# Allegro board BeagleV-FIRE_REV-A_230911.brd (continued)
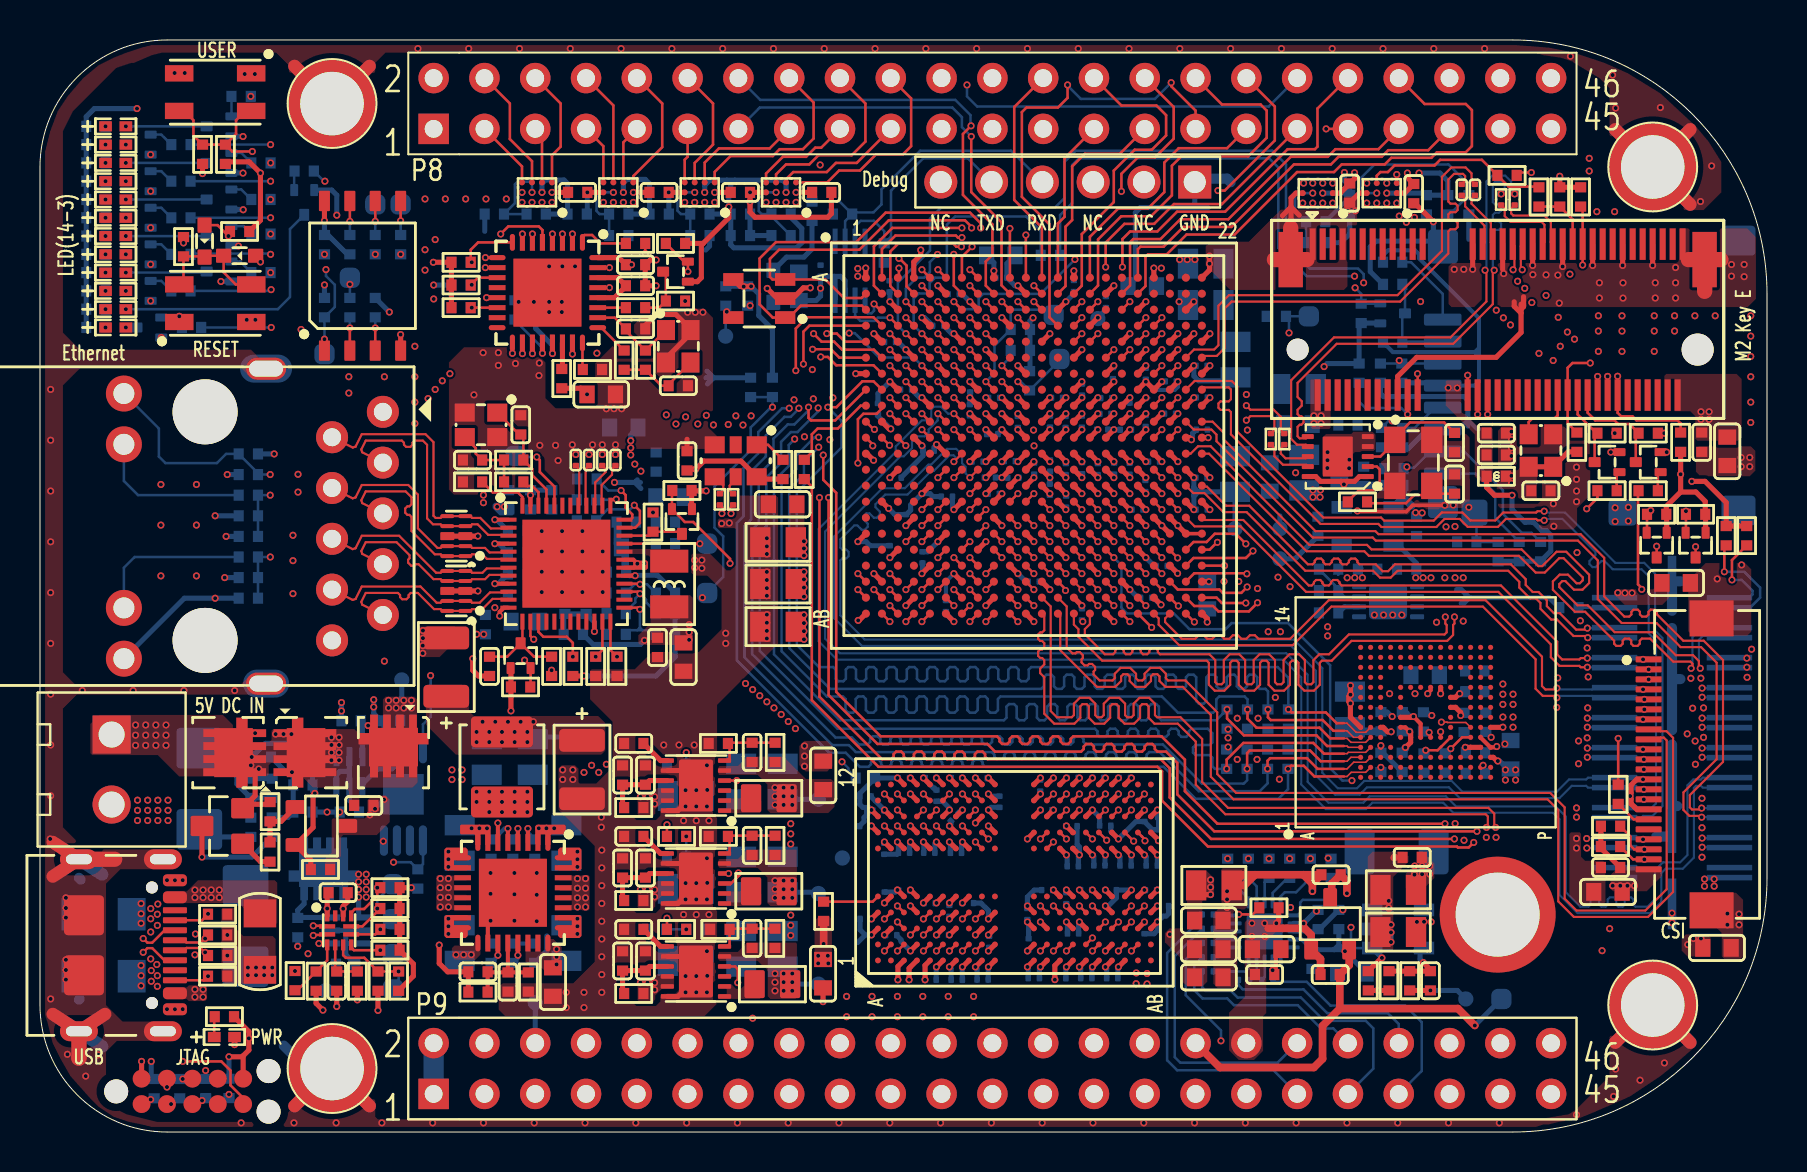
[diagram p0: board, top side]
## Routing (per net, layer and track width the routed paths; a pad name or vN(x,y) marks a point on that pad's centre or on a via; arc(x,y) is an arc through that point) (continued)
CAM_D0_P: length 50.7
  TOP w0.107: U1.AA12 50.54,26.28 50.54,21.05 50.85,20.74 51.59,20.74 51.7,20.85 51.7,21.42 52,21.71 52.47,21.71 52.77,21.42 52.77,20.85 52.87,20.74 53.09,20.74 53.19,20.85 53.19,21.42 53.49,21.71 53.97,21.71 54.26,21.42 54.26,20.85 54.37,20.74 54.58,20.74 54.69,20.85 54.69,21.42 54.98,21.71 55.46,21.71 55.76,21.42 55.76,20.85 55.86,20.74 57.03,20.74 58.12,19.66 58.12,17.5 59.41,16.21 72.43,16.21 72.72,15.92 72.72,15.3 v1(72.79,15.23)
  L3_SIG1 w0.086: v1(72.79,15.23) 72.79,15.54 72.72,15.61 72.72,16.47 73,16.75 73.27,16.75 73.36,16.67 73.36,16.48 73.44,16.4 73.62,16.4 73.7,16.48 73.7,16.67 73.79,16.75 77.23,16.75 78.33,17.86 78.33,21.34 79.72,22.73 80.35,22.73 v1(80.44,22.64)
CAM_D1_N: length 47.4
  TOP w0.107: v1(52.1,27.92) U1.W14 ; J7.5 v1(80.23,21.63)
  L5_SIG2 w0.086: v1(80.23,21.63) J7.5 80.53,21.54 81.43,21.54 81.92,21.05 81.92,15.54 81.43,15.05 79.73,15.05 79.43,14.75 77.97,14.75 77.67,15.05 76.5,15.05 75.66,15.89 58.89,15.89 57.64,17.14 57.64,17.52 51.44,23.72 51.44,26.61 51.65,26.83 51.65,27.48 v1(52.1,27.92)
CAM_D1_P: length 47.5
  TOP w0.107: J7.6 v1(80.23,21.14) ; v1(52.1,27.12) U1.Y14
  L5_SIG2 w0.086: v1(52.1,27.12) 52.1,26.83 51.75,26.48 51.75,23.85 51.94,23.66 52.06,23.66 52.24,23.84 52.36,23.84 52.48,23.72 52.48,23.6 52.31,23.42 52.31,23.3 52.43,23.18 52.55,23.18 52.73,23.35 52.85,23.35 52.97,23.23 52.97,23.11 52.79,22.93 52.79,22.81 52.92,22.69 53.04,22.69 53.22,22.86 53.34,22.86 53.46,22.74 53.46,22.62 53.28,22.44 53.28,22.32 53.41,22.2 53.53,22.2 53.7,22.37 53.83,22.37 53.95,22.25 53.95,22.13 53.77,21.95 53.77,21.83 57.95,17.65 57.95,17.28 59.02,16.21 75.79,16.21 76.63,15.36 77.8,15.36 78.11,15.06 79.3,15.06 79.6,15.36 81.3,15.36 81.6,15.67 81.6,20.92 81.3,21.23 80.53,21.23 J7.6 v1(80.23,21.14)
CAM_D2_N: length 48.1
  TOP w0.107: J7.11 v1(80.2,18.63) ; v1(52.9,26.32) U1.AA15
  L5_SIG2 w0.086: v1(80.2,18.63) 79.86,18.63 79.77,18.54 79.07,18.54 77.5,16.97 59.38,16.97 58.72,17.63 58.72,18.85 58.17,19.4 58.17,19.52 58.94,20.28 58.94,20.67 58.63,20.97 58.25,20.97 57.48,20.21 57.36,20.21 57.24,20.33 57.24,20.46 58,21.22 58,21.6 57.69,21.91 57.31,21.91 56.55,21.15 56.43,21.15 56.3,21.27 56.3,21.39 57.07,22.15 57.07,22.54 56.76,22.84 56.38,22.84 55.61,22.08 55.49,22.08 55.37,22.2 55.37,22.33 56.13,23.09 56.13,23.47 55.82,23.78 55.44,23.78 54.68,23.02 54.56,23.02 54.43,23.14 54.43,23.26 55.21,24.04 55.21,24.42 54.9,24.73 54.52,24.73 53.74,23.95 53.62,23.95 52.87,24.7 52.87,25.09 52.95,25.17 53.27,25.17 53.34,25.24 53.34,25.36 53.28,25.43 52.96,25.43 52.87,25.51 52.87,25.64 52.93,25.7 53.23,25.7 53.31,25.79 53.31,25.96 53.21,26.06 52.95,26.06 52.87,26.15 52.87,26.29 v1(52.9,26.32)
CAM_D2_P: length 48.2
  TOP w0.107: J7.12 v1(80.2,18.14) ; v1(52.9,27.12) U1.Y15
  L5_SIG2 w0.086: v1(52.9,27.12) 52.55,26.78 52.55,24.57 53.49,23.64 53.87,23.64 54.65,24.41 54.77,24.41 54.89,24.29 54.89,24.17 54.12,23.39 54.12,23.01 54.43,22.7 54.81,22.7 55.57,23.46 55.69,23.46 55.82,23.34 55.82,23.22 55.05,22.46 55.05,22.07 55.36,21.77 55.74,21.77 56.51,22.53 56.63,22.53 56.75,22.41 56.75,22.28 55.99,21.52 55.99,21.14 56.3,20.83 56.68,20.83 57.44,21.59 57.56,21.59 57.69,21.47 57.69,21.35 56.92,20.59 56.92,20.2 57.23,19.9 57.61,19.9 58.38,20.66 58.5,20.66 58.62,20.54 58.62,20.41 57.86,19.65 57.86,19.27 58.4,18.72 58.4,17.5 59.25,16.65 77.63,16.65 79.2,18.23 79.77,18.23 79.86,18.14 v1(80.2,18.14)
CAM_D3_N: length 50.9
  TOP w0.107: U1.AB15 52.5,25.4 52.25,25.15 52.25,24.89 53.25,23.89 53.66,23.89 53.77,24 53.77,24.09 53.87,24.19 54.09,24.19 54.19,24.09 54.19,24 54.3,23.89 54.51,23.89 54.62,24 54.62,24.09 54.73,24.19 54.94,24.19 55.05,24.09 55.05,24 55.15,23.89 55.37,23.89 55.47,24 55.47,24.09 55.58,24.19 55.79,24.19 55.9,24.09 55.9,24 56.01,23.89 58.48,23.89 58.77,23.6 58.77,22.5 58.88,22.39 59.09,22.39 59.2,22.5 59.2,23.6 59.49,23.89 59.97,23.89 60.26,23.6 60.26,22.5 60.37,22.39 60.58,22.39 60.69,22.5 60.69,23.6 60.98,23.89 61.46,23.89 61.76,23.6 61.76,22.5 61.86,22.39 62.08,22.39 62.18,22.5 62.18,23.6 62.48,23.89 62.96,23.89 63.25,23.6 63.25,22.5 63.36,22.39 63.57,22.39 63.68,22.5 63.68,23.6 63.97,23.89 64.46,23.89 65.45,24.88 70.24,24.88 70.34,24.99 70.34,25.36 70.27,25.43 v1(70.27,25.76) ; J7.14 v1(80.2,17.14)
  L5_SIG2 w0.086: v1(70.27,25.76) 70.27,25.53 70.35,25.46 70.35,25.19 70.66,24.88 75.64,24.88 76.38,24.14 76.38,22.53 76.96,21.96 79.02,21.96 79.36,21.62 79.36,21.17 79.28,21.09 79.09,21.09 79,21 79,20.83 79.09,20.74 79.28,20.74 79.36,20.65 79.36,20.02 79.68,19.7 80.49,19.7 80.66,19.53 80.66,17.13 80.57,17.04 80.29,17.04 v1(80.2,17.14)
CAM_D3_P: length 50.9
  TOP w0.107: J7.15 v1(80.2,16.63) ; U1.AB14 51.7,25.37 51.93,25.15 51.93,24.76 53.12,23.57 58.34,23.57 58.45,23.46 58.45,22.36 58.74,22.07 59.22,22.07 59.52,22.36 59.52,23.46 59.62,23.57 59.84,23.57 59.94,23.46 59.94,22.36 60.24,22.07 60.72,22.07 61.01,22.36 61.01,23.46 61.12,23.57 61.33,23.57 61.44,23.46 61.44,22.36 61.73,22.07 62.21,22.07 62.5,22.36 62.5,23.46 62.61,23.57 62.82,23.57 62.93,23.46 62.93,22.36 63.22,22.07 63.7,22.07 64,22.36 64,23.46 64.1,23.57 64.59,23.57 65.58,24.56 70.37,24.56 70.66,24.86 70.66,25.36 70.73,25.43 v1(70.73,25.76)
  L5_SIG2 w0.086: v1(80.2,16.63) 80.29,16.73 80.7,16.73 80.98,17 80.98,19.66 80.62,20.02 79.81,20.02 79.68,20.15 79.68,21.75 79.15,22.27 77.09,22.27 76.7,22.66 76.7,24.27 75.77,25.2 70.79,25.2 70.66,25.32 70.66,25.45 70.73,25.52 v1(70.73,25.76)
CSI1_PWDN: length 42.4
  TOP w0.127: U35.A3 v1(67.84,47.88) ; R265.2 v1(78.92,19.68)
  L10_SIG3 w0.102: v1(78.92,19.68) 78.92,24.76 81.16,27 81.16,28.03 80.14,29.05 80.14,33.01 77.5,35.66 77.5,37.92 78.36,38.79 78.36,43.21 75.84,45.72 75.84,46.21 74.25,47.81 70.03,47.81 69.46,48.38 68.08,48.38 67.84,48.15 v1(67.84,47.88)
EMMC_CLK: length 4.7
  TOP w0.127: R254.1 38.59,33.99 38.59,34.89 38.89,35.18 39.89,35.18 41.04,36.32 U1.J1
EMMC_CMD: length 62.2
  TOP w0.127: v1(39.43,31.72) 39.43,21.85 41.88,19.41 47.37,19.41 47.75,19.02 52.06,19.02 52.19,19.15 52.19,19.28 52.32,19.41 52.57,19.41 52.7,19.28 52.7,19.15 52.83,19.02 53.08,19.02 53.21,19.15 53.21,19.28 53.33,19.41 53.59,19.41 53.72,19.28 53.72,19.15 53.84,19.02 54.1,19.02 54.22,19.15 54.22,19.28 54.35,19.41 54.6,19.41 54.73,19.28 54.73,19.15 54.86,19.02 55.11,19.02 55.24,19.15 55.24,19.28 55.37,19.41 55.62,19.41 55.75,19.28 55.75,19.15 55.87,19.02 56.31,19.02 56.87,18.46 56.87,16.89 58.72,15.04 v1(71.86,15.04) ; U1.K5 v1(44.1,35.92) ; v1(70.55,19.17) 71.11,19.74 U3.M5
  L5_SIG2 w0.102: v1(44.1,35.92) 43.72,35.54 41.52,35.54 40.08,34.1 40.08,32.59 39.43,31.95 v1(39.43,31.72)
  L10_SIG3 w0.102: v1(71.86,15.04) 71.86,16.38 70.55,17.69 v1(70.55,19.17)
  BOTTOM w0.127: R13.2 70.27,19.04 70.4,19.17 v1(70.55,19.17)
EMMC_DATA0: length 58.4
  TOP w0.076: U3.A3 65.56,18.74 65.36,18.54 65.2,18.54
  TOP w0.127: v1(38.43,36.25) 38.43,35.71 38.56,35.59 39.76,35.59 U1.H1 ; v1(60.36,18.16) 60.36,18.95 60.49,19.08 63.51,19.08 64.05,18.54 65.2,18.54
  BOTTOM w0.127: v1(60.36,18.16) 60.36,17.59 60.2,17.42 58.1,17.42 56.15,19.38 52.31,19.38 52.18,19.51 52.18,19.66 52.05,19.79 51.8,19.79 51.67,19.66 51.67,19.51 51.54,19.38 51.29,19.38 51.16,19.51 51.16,19.66 51.04,19.79 50.78,19.79 50.66,19.66 50.66,19.51 50.53,19.38 50.27,19.38 50.15,19.51 50.15,19.66 50.02,19.79 49.77,19.79 49.64,19.66 49.64,19.51 49.51,19.38 49.26,19.38 49.13,19.51 49.13,19.66 49,19.79 48.75,19.79 48.62,19.66 48.62,19.51 48.5,19.38 48.24,19.38 48.12,19.51 48.12,19.66 47.99,19.79 47.73,19.79 47.61,19.66 47.61,19.51 47.48,19.38 47.23,19.38 47.1,19.51 47.1,19.66 46.97,19.79 46.72,19.79 46.59,19.66 46.59,19.51 46.46,19.38 46.21,19.38 46.08,19.51 46.08,19.66 45.96,19.79 45.7,19.79 45.58,19.66 45.58,19.51 45.45,19.38 45.19,19.38 45.07,19.51 45.07,19.66 44.94,19.79 44.69,19.79 44.56,19.66 44.56,19.51 44.43,19.38 44.18,19.38 44.05,19.51 44.05,19.66 43.92,19.79 43.67,19.79 43.54,19.66 43.54,19.51 43.42,19.38 43.16,19.38 43.04,19.51 43.04,19.66 42.91,19.79 42.65,19.79 42.53,19.66 42.53,19.51 42.4,19.38 42.15,19.38 42.02,19.51 42.02,19.66 41.89,19.79 41.64,19.79 41.51,19.66 41.51,19.51 41.38,19.38 40.95,19.38 40.61,19.73 39.78,19.73 35.61,23.9 35.61,30.13 35.94,30.46 35.94,32.88 36.68,33.62 36.68,34.67 37.39,35.38 37.72,35.38 38.43,36.09 v1(38.43,36.25)
EMMC_DATA1: length 61.3
  TOP w0.076: 65.2,19.3 65.36,19.3 65.43,19.24 U3.A4
  TOP w0.127: U1.J4 v1(43.3,36.72) ; v1(59.36,21.13) 59.36,20.68 60.2,19.84 63.83,19.84 64.36,19.3 65.2,19.3
  L3_SIG1 w0.102: v1(43.3,36.72) 42.94,37.08 42.09,37.08 41.62,36.61 41.06,36.61 39.79,35.34 37.88,35.34 37.74,35.2 v1(37.74,34.65)
  BOTTOM w0.127: v1(59.36,21.13) 58.82,20.59 56.08,20.59 55.95,20.72 55.95,21.27 55.82,21.4 55.57,21.4 55.44,21.27 55.44,20.72 55.31,20.59 55.06,20.59 54.93,20.72 54.93,21.27 54.81,21.4 54.55,21.4 54.42,21.27 54.42,20.72 54.3,20.59 54.04,20.59 53.92,20.72 53.92,21.27 53.79,21.4 53.54,21.4 53.41,21.27 53.41,20.72 53.28,20.59 53.03,20.59 52.9,20.72 52.9,21.27 52.77,21.4 52.52,21.4 52.39,21.27 52.39,20.72 52.27,20.59 52.01,20.59 51.88,20.72 51.88,21.27 51.76,21.4 51.5,21.4 51.38,21.27 51.38,20.72 51.25,20.59 51,20.59 50.87,20.72 50.87,21.27 50.74,21.4 50.49,21.4 50.36,21.27 50.36,20.72 50.23,20.59 49.98,20.59 49.85,20.72 49.85,21.27 49.73,21.4 49.47,21.4 49.34,21.27 49.34,20.72 49.22,20.59 48.96,20.59 48.84,20.72 48.84,21.27 48.71,21.4 48.46,21.4 48.33,21.27 48.33,20.72 48.2,20.59 40,20.59 36.7,23.88 36.7,32.57 37.44,33.3 37.44,34.36 v1(37.74,34.65)
EMMC_DATA2: length 61.6
  TOP w0.076: 65.2,20.06 65.36,20.06 65.69,19.74 U3.A5
  TOP w0.127: U1.K4 v1(43.3,35.92) ; v1(61.4,21.13) 61.4,20.74 61.54,20.6 64.14,20.6 64.68,20.06 65.2,20.06
  L3_SIG1 w0.102: v1(43.3,35.92) 42.9,36.32 42.34,36.32 41.92,35.9 41.35,35.9 39.7,34.25 v1(38.94,34.25)
  BOTTOM w0.127: v1(61.4,21.13) 61.4,22.03 61.28,22.16 60.99,22.16 60.86,22.29 60.86,22.74 60.74,22.87 60.48,22.87 60.36,22.74 60.36,22.29 60.23,22.16 59.98,22.16 59.85,22.29 59.85,22.74 59.72,22.87 59.47,22.87 59.34,22.74 59.34,22.29 59.21,22.16 58.96,22.16 58.83,22.29 58.83,22.74 58.71,22.87 58.45,22.87 58.32,22.74 58.32,21.55 58.2,21.42 57.94,21.42 57.82,21.55 57.82,22.74 57.69,22.87 57.44,22.87 57.31,22.74 57.31,22.29 57.18,22.16 56.93,22.16 56.8,22.29 56.8,22.74 56.67,22.87 56.42,22.87 56.29,22.74 56.29,22.29 56.17,22.16 55.91,22.16 55.78,22.29 55.78,22.74 55.66,22.87 55.4,22.87 55.28,22.74 55.28,22.29 55.15,22.16 54.9,22.16 54.77,22.29 54.77,22.74 54.64,22.87 54.39,22.87 54.26,22.74 54.26,22.29 54.13,22.16 53.88,22.16 53.75,22.29 53.75,22.74 53.63,22.87 53.37,22.87 53.24,22.74 53.24,22.29 53.12,22.16 52.86,22.16 52.74,22.29 52.74,22.74 52.61,22.87 52.36,22.87 52.23,22.74 52.23,22.29 52.1,22.16 51.85,22.16 51.72,22.29 51.72,22.74 51.59,22.87 51.34,22.87 51.21,22.74 51.21,22.29 51.09,22.16 50.83,22.16 50.7,22.29 50.7,22.74 50.58,22.87 50.32,22.87 50.2,22.74 50.2,22.29 50.07,22.16 39.5,22.16 37.47,24.2 37.47,32.16 38.2,32.89 38.2,33.51 v1(38.94,34.25)
EMMC_DATA3: length 62.4
  TOP w0.076: 65.2,17.78 65.36,17.78 65.57,17.99 66.29,17.99 U3.B2
  TOP w0.127: 65.2,17.78 63.73,17.78 63.2,18.31 62.56,18.31 v1(62.41,18.16) ; U1.J7 v1(45.7,36.72)
  L5_SIG2 w0.102: v1(37.47,36.2) 37.47,36.17 37.49,36.14 37.49,35.81 37.79,35.51 39.7,35.51 40.51,36.32 45.3,36.32 v1(45.7,36.72)
  BOTTOM w0.127: v1(62.41,18.16) 62.41,17.14 61.93,16.66 57.78,16.66 56.18,18.26 47.27,18.26 47.14,18.39 47.14,18.49 47.01,18.62 46.76,18.62 46.63,18.49 46.63,18.39 46.5,18.26 46.25,18.26 46.12,18.39 46.12,18.49 46,18.62 45.74,18.62 45.62,18.49 45.62,18.39 45.49,18.26 45.23,18.26 45.11,18.39 45.11,18.49 44.98,18.62 44.73,18.62 44.6,18.49 44.6,18.39 44.47,18.26 44.22,18.26 44.09,18.39 44.09,18.49 43.96,18.62 43.71,18.62 43.58,18.49 43.58,18.39 43.46,18.26 43.2,18.26 43.08,18.39 43.08,18.49 42.95,18.62 42.69,18.62 42.57,18.49 42.57,18.39 42.44,18.26 42.19,18.26 42.06,18.39 42.06,18.49 41.93,18.62 41.68,18.62 41.55,18.49 41.55,18.39 41.42,18.26 40.99,18.26 40.29,18.96 39.47,18.96 34.85,23.58 34.85,30.46 35.18,30.79 35.18,33.2 35.92,33.94 35.92,35 37.11,36.2 v1(37.47,36.2)
EMMC_DATA4: length 61.4
  TOP w0.076: U3.B3 66.29,18.49 65.69,18.49 65.36,18.16 65.2,18.16
  TOP w0.127: U1.J6 v1(44.9,36.72) ; v1(61.39,18.16) 61.39,18.57 61.51,18.69 63.35,18.69 63.89,18.16 65.2,18.16
  L5_SIG2 w0.102: v1(44.9,36.72) 44.49,37.13 40.82,37.13 39.55,35.86 38.05,35.86 37.95,35.97 v1(37.95,36.2)
  BOTTOM w0.127: v1(37.95,36.2) 37.95,36.17 37.54,35.76 37.23,35.76 36.3,34.83 36.3,33.78 35.56,33.04 35.56,30.63 35.23,30.3 35.23,23.74 39.62,19.35 40.45,19.35 40.8,19 47.59,19 47.72,18.87 47.72,18.77 47.85,18.64 48.1,18.64 48.23,18.77 48.23,18.87 48.36,19 48.61,19 48.74,18.87 48.74,18.77 48.86,18.64 49.12,18.64 49.25,18.77 49.25,18.87 49.37,19 49.63,19 49.75,18.87 49.75,18.77 49.88,18.64 50.13,18.64 50.26,18.77 50.26,18.87 50.39,19 50.64,19 50.77,18.87 50.77,18.77 50.9,18.64 51.15,18.64 51.28,18.77 51.28,18.87 51.4,19 51.66,19 51.79,18.87 51.79,18.77 51.91,18.64 52.17,18.64 52.29,18.77 52.29,18.87 52.42,19 52.67,19 52.8,18.87 52.8,18.77 52.93,18.64 53.18,18.64 53.31,18.77 53.31,18.87 53.44,19 53.69,19 53.82,18.87 53.82,18.77 53.94,18.64 54.2,18.64 54.33,18.77 54.33,18.87 54.45,19 54.71,19 54.83,18.87 54.83,18.77 54.96,18.64 55.21,18.64 55.34,18.77 55.34,18.87 55.47,19 55.99,19 57.94,17.04 60.99,17.04 61.39,17.44 v1(61.39,18.16)
EMMC_DATA5: length 60.7
  TOP w0.076: U3.B4 66.29,18.99 65.43,18.99 65.36,18.92 65.2,18.92
  TOP w0.127: U1.H6 v1(44.9,37.52) ; v1(59.34,18.16) 59.34,18.62 60.17,19.46 63.67,19.46 64.2,18.92 65.2,18.92
  L5_SIG2 w0.102: v1(38.91,36.21) 38.91,36.4 39.03,36.52 39.03,36.92 39.68,37.57 40.94,37.57 41.29,37.92 44.5,37.92 v1(44.9,37.52)
  BOTTOM w0.127: v1(59.34,18.16) 58.75,18.16 58.62,18.29 58.62,18.72 58.5,18.85 57.78,18.85 57.66,18.97 57.66,19.23 57.78,19.35 58.5,19.35 58.62,19.48 58.62,19.94 58.39,20.17 57.58,20.17 57.45,20.04 57.45,19.89 57.32,19.76 57.07,19.76 56.94,19.89 56.94,20.04 56.81,20.17 56.56,20.17 56.43,20.04 56.43,19.89 56.31,19.76 56.05,19.76 55.92,19.89 55.92,20.04 55.8,20.17 55.54,20.17 55.42,20.04 55.42,19.89 55.29,19.76 55.04,19.76 54.91,19.89 54.91,20.04 54.78,20.17 54.53,20.17 54.4,20.04 54.4,19.89 54.27,19.76 54.02,19.76 53.89,19.89 53.89,20.04 53.77,20.17 53.51,20.17 53.38,20.04 53.38,19.89 53.26,19.76 53,19.76 52.88,19.89 52.88,20.04 52.75,20.17 39.88,20.17 35.99,24.06 35.99,29.97 36.32,30.3 36.32,32.73 37.06,33.46 37.06,34.51 37.55,35 37.88,35 38.91,36.04 v1(38.91,36.21)
EMMC_DATA6: length 60.1
  TOP w0.076: 65.2,19.68 65.36,19.68 65.56,19.49 66.29,19.49 U3.B5
  TOP w0.127: v1(60.38,21.13) 60.38,20.67 60.83,20.22 63.99,20.22 64.52,19.68 65.2,19.68 ; U1.J3 v1(42.5,36.72)
  L3_SIG1 w0.102: v1(38.94,34.74) 39.06,34.74 39.31,34.99 39.94,34.99 41.2,36.25 41.76,36.25 42.23,36.72 v1(42.5,36.72)
  BOTTOM w0.127: v1(38.94,34.74) 38.73,34.74 37.82,33.83 37.82,33.15 37.08,32.41 37.08,24.04 39.35,21.78 40.16,21.78 40.28,21.65 40.28,21.1 40.41,20.97 40.66,20.97 40.79,21.1 40.79,21.65 40.92,21.78 41.17,21.78 41.3,21.65 41.3,21.1 41.43,20.97 41.68,20.97 41.81,21.1 41.81,21.65 41.93,21.78 42.19,21.78 42.31,21.65 42.31,21.1 42.44,20.97 42.7,20.97 42.82,21.1 42.82,21.65 42.95,21.78 43.2,21.78 43.33,21.65 43.33,21.1 43.46,20.97 43.71,20.97 43.84,21.1 43.84,21.65 43.97,21.78 44.22,21.78 44.35,21.65 44.35,21.1 44.47,20.97 44.73,20.97 44.85,21.1 44.85,21.65 44.98,21.78 45.24,21.78 45.36,21.65 45.36,21.1 45.49,20.97 45.74,20.97 45.87,21.1 45.87,21.65 46,21.78 46.25,21.78 46.38,21.65 46.38,21.1 46.51,20.97 46.76,20.97 46.89,21.1 46.89,21.65 47.01,21.78 47.27,21.78 47.39,21.65 47.39,21.1 47.52,20.97 47.78,20.97 47.9,21.1 47.9,21.65 48.03,21.78 56.1,21.78 56.9,20.97 58.66,20.97 58.83,21.14 58.83,21.64 58.97,21.78 60.24,21.78 60.38,21.63 v1(60.38,21.13)
EMMC_DATA7: length 59.2
  TOP w0.076: 65.2,20.45 65.36,20.45 65.82,19.99 66.29,19.99 U3.B6
  TOP w0.127: U1.H2 41.68,37.54 41.12,37.54 39.83,36.25 v1(39.4,36.25) ; 65.2,20.45 64.84,20.45 64.3,20.98 62.58,20.98 v1(62.43,21.13)
  BOTTOM w0.127: v1(62.43,21.13) 62.43,22.71 61.89,23.25 49.57,23.25 49.44,23.12 49.44,22.67 49.31,22.54 49.06,22.54 48.93,22.67 48.93,23.12 48.81,23.25 48.55,23.25 48.43,23.12 48.43,22.67 48.3,22.54 48.04,22.54 47.92,22.67 47.92,23.12 47.79,23.25 47.54,23.25 47.41,23.12 47.41,22.67 47.28,22.54 47.03,22.54 46.9,22.67 46.9,23.12 46.77,23.25 46.52,23.25 46.39,23.12 46.39,22.67 46.27,22.54 46.01,22.54 45.89,22.67 45.89,23.12 45.76,23.25 45.5,23.25 45.38,23.12 45.38,22.67 45.25,22.54 45,22.54 44.87,22.67 44.87,23.12 44.74,23.25 44.49,23.25 44.36,23.12 44.36,22.67 44.23,22.54 43.98,22.54 43.85,22.67 43.85,23.12 43.73,23.25 43.47,23.25 43.35,23.12 43.35,22.67 43.22,22.54 42.96,22.54 42.84,22.67 42.84,23.12 42.71,23.25 42.46,23.25 42.33,23.12 42.33,22.67 42.2,22.54 41.95,22.54 41.82,22.67 41.82,23.12 41.69,23.25 41.44,23.25 41.31,23.12 41.31,22.67 41.19,22.54 40.93,22.54 40.81,22.67 40.81,23.12 40.68,23.25 40.42,23.25 40.3,23.12 40.3,22.67 40.17,22.54 39.92,22.54 39.79,22.67 39.79,23.12 39.66,23.25 38.95,23.25 37.85,24.36 37.85,32 40.08,34.23 40.08,35.56 v1(39.4,36.25)
EMMC_DQ: length 61.5
  TOP w0.127: U1.K3 v1(42.5,35.92) ; U3.H5 69.54,19.91 v1(69.46,19.98) ; v1(70.73,14.66) 58.56,14.66 56.49,16.73 56.49,18.19 56.04,18.64 47.39,18.64 47.26,18.77 47.26,18.9 47.13,19.02 46.88,19.02 46.75,18.9 46.75,18.77 46.62,18.64 46.37,18.64 46.24,18.77 46.24,18.9 46.12,19.02 45.86,19.02 45.73,18.9 45.73,18.77 45.61,18.64 45.35,18.64 45.23,18.77 45.23,18.9 45.1,19.02 44.85,19.02 44.72,18.9 44.72,18.77 44.59,18.64 44.34,18.64 44.21,18.77 44.21,18.9 44.08,19.02 43.83,19.02 43.7,18.9 43.7,18.77 43.58,18.64 43.32,18.64 43.19,18.77 43.19,18.9 43.07,19.02 42.81,19.02 42.69,18.9 42.69,18.77 42.56,18.64 42.1,18.64 38.98,21.77 v1(38.98,31.72)
  L5_SIG2 w0.102: v1(38.98,31.72) 38.98,31.99 39.73,32.74 39.73,34.25 41.4,35.92 v1(42.5,35.92)
  L10_SIG3 w0.102: v1(69.46,19.98) 69.46,19.67 69.75,19.38 69.75,17.22 71.12,15.85 71.12,15.05 v1(70.73,14.66)
  BOTTOM w0.127: R14.1 69.42,20.03 v1(69.46,19.98)
EMMC_RSTN: length 61.6
  TOP w0.127: v1(39.17,33.85) 39.17,32.61 39.81,31.97 39.81,22.01 42.04,19.79 47.86,19.79 47.99,19.66 47.99,19.53 48.11,19.41 48.37,19.41 48.49,19.53 48.49,19.66 48.62,19.79 48.87,19.79 49,19.66 49,19.53 49.13,19.41 49.38,19.41 49.51,19.53 49.51,19.66 49.64,19.79 49.89,19.79 50.02,19.66 50.02,19.53 50.14,19.41 50.4,19.41 50.53,19.53 50.53,19.66 50.65,19.79 50.91,19.79 51.03,19.66 51.03,19.53 51.16,19.41 51.41,19.41 51.54,19.53 51.54,19.66 51.67,19.79 56.08,19.79 57.25,18.62 57.25,17.04 58.88,15.42 v1(70.26,15.42) ; U3.K5 70.06,19.26 70.06,19.26 69.89,19.09 v1(69.29,19.09) ; U1.H4 v1(43.3,37.52)
  L3_SIG1 w0.102: v1(43.3,37.52) 43.69,37.14 43.69,35.81 43.42,35.54 41.5,35.54 39.81,33.85 v1(39.17,33.85)
  L10_SIG3 w0.102: v1(69.29,19.09) 69.29,17.17 70.26,16.21 v1(70.26,15.42)
  BOTTOM w0.127: R12.2 69.21,19 v1(69.29,19.09)
EXT_VDD_5V:
  vias: v1(4.78,20.35) v1(4.78,19.85) v1(4.78,19.34) v1(5.29,20.35) v1(5.29,19.85) v1(5.29,19.34) v1(5.79,20.35) v1(5.79,19.85) v1(5.79,19.34) v1(6.3,20.35) v1(6.3,19.85) v1(6.3,19.34)
EXT_VDD_5V_R: length 8.3
  TOP w0.254: R281.1 11.39,16.39 10.55,16.39 10.44,16.5 ; Q31.1 10.76,16.82 10.44,16.5 ; 10.44,16.5 Q30.2
  BOTTOM w0.254: R280.1 12.66,19.27 12.5,19.43 11.27,19.43 v1(10.59,18.75) 10.54,18.71 v1(10.54,18.34) R284.1 C328.1
  vias: v1(10.94,18.16) v1(11.78,19.9) v1(12.18,19.9) v1(12.57,19.9)
FABRIC_I2C0_SCL: length 126
  TOP w0.127: v1(48.5,45.19) U1.A10 ; v1(84.61,27.61) 84.61,28.6 R250.2
  L5_SIG2 w0.102: P9.19 43.66,3.02 76.17,3.02 76.63,3.48 76.63,9.66 78.38,11.4 84.56,11.4 84.87,11.71 84.87,27.07 84.61,27.33 v1(84.61,27.61) 84.61,41.66 81.36,44.91 68.1,44.91 67.31,45.69 61.85,45.69 60.88,46.66 57.27,46.66 57.27,46.66 50.75,46.66 49.31,45.21 48.53,45.21 v1(48.5,45.19)
  BOTTOM w0.127: v1(84.61,27.61) 85.09,27.61 85.64,27.06 85.64,26.88 85.47,26.72 J8.1
FABRIC_I2C0_SDA: length 124.5
  TOP w0.127: R249.2 84.23,29.24 v1(84.23,28.02) ; v1(49.3,44.86) U1.A11
  L5_SIG2 w0.102: v1(49.3,44.86) 49.45,44.86 50.9,46.3 57.42,46.3 60.74,46.3 61.7,45.34 67.16,45.34 67.95,44.55 81.21,44.55 84.23,41.53 v1(84.23,28.02) 84.23,27.2 84.51,26.92 84.51,12.07 84.2,11.76 78.23,11.76 76.28,9.8 76.28,3.66 76,3.38 43.61,3.38 P9.20
  BOTTOM w0.127: J8.3 85.51,26.22 86.02,26.73 86.02,27.22 85.22,28.02 v1(84.23,28.02)
H_M2_CLKREQ0N: length 9.4
  TOP w0.127: U35.C3 66.84,47.82 67.03,48.01 67.4,48.01 67.73,48.34 69.73,48.34 70.01,48.62 72.1,48.62 R263.1 73.44,47.28 74.92,47.28 R262.2
H_M2_PERST0N: length 21.8
  TOP w0.127: R92.2 76.39,35.44 J9.52 76.39,38.21 76.63,38.46 v1(77.52,38.46)
  L10_SIG3 w0.102: v1(67.34,47.45) 74.1,47.45 75.49,46.06 75.49,45.58 76.76,44.3 76.76,43.2 76.86,43.1 76.86,40.66 77.52,40 v1(77.52,38.46)
I2C1_SCL: length 91.6
  TOP w0.127: v1(47.04,45.21) 47.04,45.44 46.51,45.97 42.29,45.97 40.81,44.5 36.8,44.5 35.98,43.69 35.98,41.38 36.64,40.73 U22.1 37.45,40.73 38.05,41.33 41.1,41.33 U1.C1 ; J7.20 v1(80.23,14.14) 79.72,14.14 79.53,14.33 79.53,14.78 R109.2 ; Q20.3 v1(82.79,29.27)
  L5_SIG2 w0.102: v1(82.79,29.27) 82.01,29.27 81.58,29.69 81.58,32.69 80.09,34.19 80.09,43.61 79.5,44.2 67.8,44.2 67.02,44.98 61.55,44.98 60.59,45.95 57.57,45.95 51.05,45.95 49.6,44.5 47.75,44.5 v1(47.04,45.21)
  L10_SIG3 w0.102: v1(82.79,29.27) 81.95,28.44 81.95,26.79 79.65,24.49 79.65,18.93 79.15,18.42 79.15,14.74 79.76,14.14 v1(80.23,14.14)
I2C1_SDA: length 87.6
  TOP w0.127: U1.B1 41.08,41.71 40.2,41.71 39.28,42.63 U22.3 36.63,42.63 36.5,42.76 36.5,43.66 36.96,44.12 40.97,44.12 42.44,45.59 46.25,45.59 46.58,45.26 v1(46.58,45.21) ; R108.2 79.66,13.63 v1(80.23,13.63) J7.21 ; Q19.3 v1(80.84,29.29)
  L5_SIG2 w0.102: v1(80.84,29.29) 81.23,29.68 81.23,32.54 79.73,34.04 79.73,43.46 79.35,43.84 67.66,43.84 66.87,44.63 61.41,44.63 60.44,45.59 51.2,45.59 49.75,44.15 47.57,44.15 46.58,45.14 v1(46.58,45.21)
  L10_SIG3 w0.102: v1(80.23,13.63) 79.74,13.63 78.87,14.5 78.87,18.64 79.3,19.08 79.3,24.64 81.6,26.94 81.6,28.54 v1(80.84,29.29)
JTAT_TCK: length 79.1
  TOP w0.127: J3.1 v1(5.54,1.63) ; U1.E9 v1(47.3,39.92)
  L3_SIG1 w0.102: v1(5.54,1.63) 5.54,2.95 9.83,7.24 12.75,7.24 13.94,8.43 17.09,8.43 18.03,9.36 18.03,10.89 17.45,11.48 17.45,12.69 18.03,13.27 18.03,19.56 21.33,22.86 25.26,22.86 25.39,22.73 25.66,22.73 26.79,21.61 35.78,21.61 v1(35.99,21.82)
  L5_SIG2 w0.102: v1(35.99,21.82) 35.99,22.72 37.43,24.15 37.43,30.58 37.2,30.81 37.2,32.31 34.42,35.09 v1(34.42,35.38)
  L10_SIG3 w0.102: v1(34.42,35.38) 34.42,36.31 35.44,37.34 36.69,37.34 37.04,37.69 37.95,37.69 38.03,37.77 38.8,37.77 40.17,39.14 41.93,39.14 42.25,39.46 42.25,39.46 42.3,39.5 46.88,39.5 v1(47.3,39.92)
  BOTTOM w0.127: R16.1 v1(5.54,1.63)
JTAT_TDI: length 78
  TOP w0.127: U1.G9 v1(47.3,38.32) ; J3.9 v1(6.35,2.25)
  L3_SIG1 w0.102: v1(37.06,20.88) 36.72,20.54 26.34,20.54 25.22,21.67 24.95,21.67 24.82,21.79 21.77,21.79 19.1,19.12 19.1,7.82 18.41,7.12 17.34,7.12 17.11,7.36 14.38,7.36 13.19,6.17 10.37,6.17 7.85,3.65 7.85,2.79 7.3,2.25 v1(6.35,2.25)
  L5_SIG2 w0.102: v1(35.56,35.81) 35.56,35.51 38.27,32.81 38.27,31.25 38.95,30.57 38.95,24.17 37.06,22.28 v1(37.06,20.88)
  L10_SIG3 w0.102: v1(47.3,38.32) 46.92,37.94 46.92,37.4 46.66,37.14 42.3,37.14 41.76,36.6 40.69,36.6 39.9,35.81 v1(35.56,35.81)
JTAT_TDO: length 0.8
  TOP w0.127: v1(8.1,1.57) 7.92,1.4 J3.3
  BOTTOM w0.127: v1(8.1,1.57) 8.22,1.69 R18.1